# Altium PCB RFPCB_REV-B.PcbDoc
Units mm, origin at the board's own origin, x right, y up, seen from the top; angles counter-clockwise.
Board outline 92.75 x 92.76 mm, 2 copper layers (Top Layer, Bottom Layer), stack 1.536 mm thick; 55 components, 41 nets, 300 pads, 229 vias.
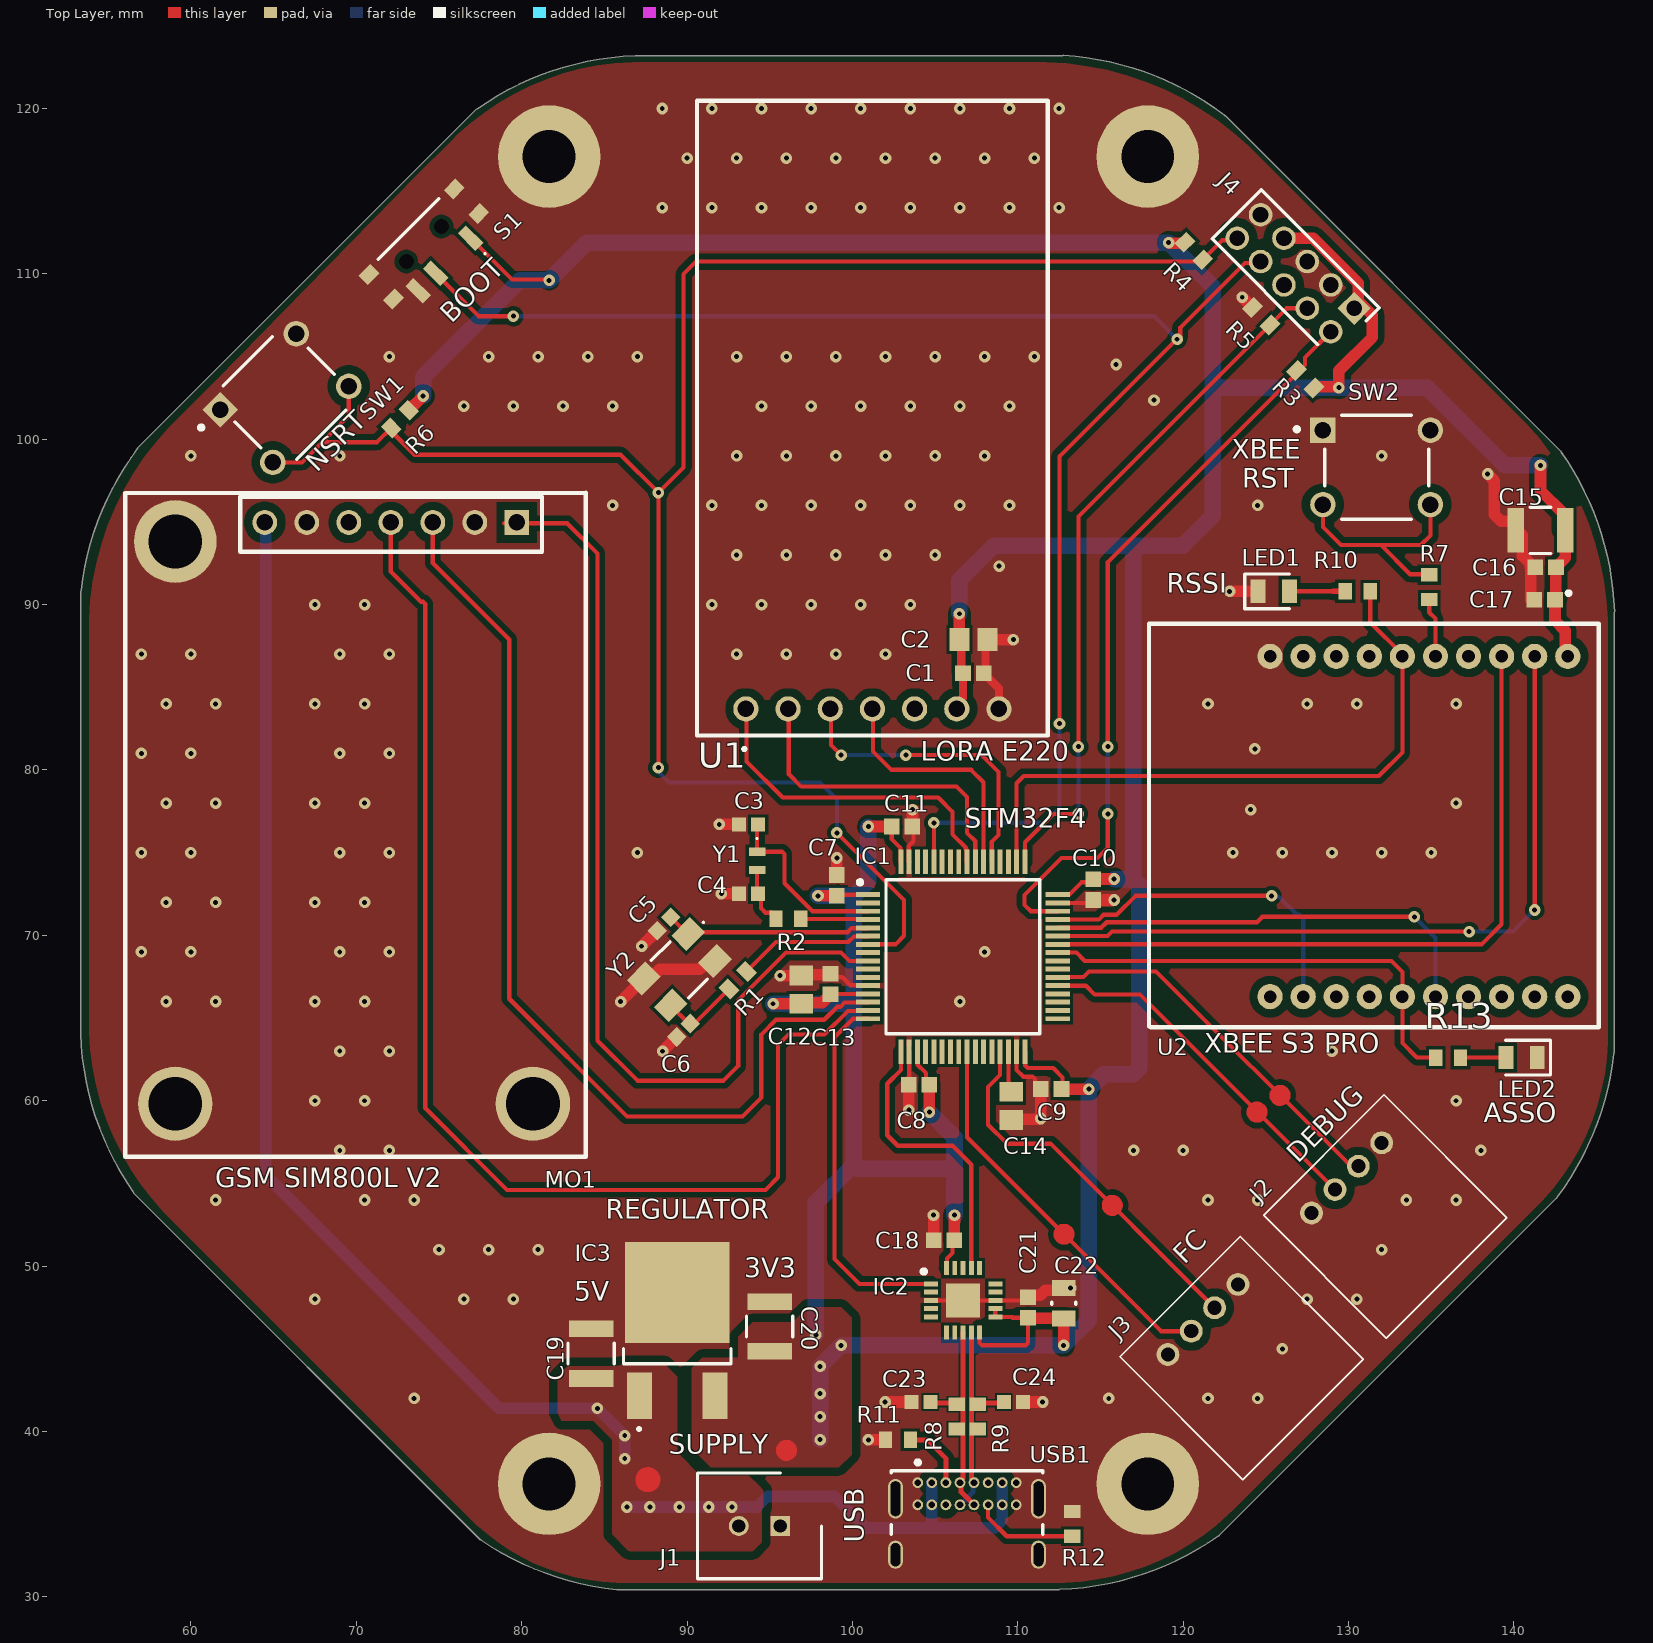
[diagram p0: Top Layer view]
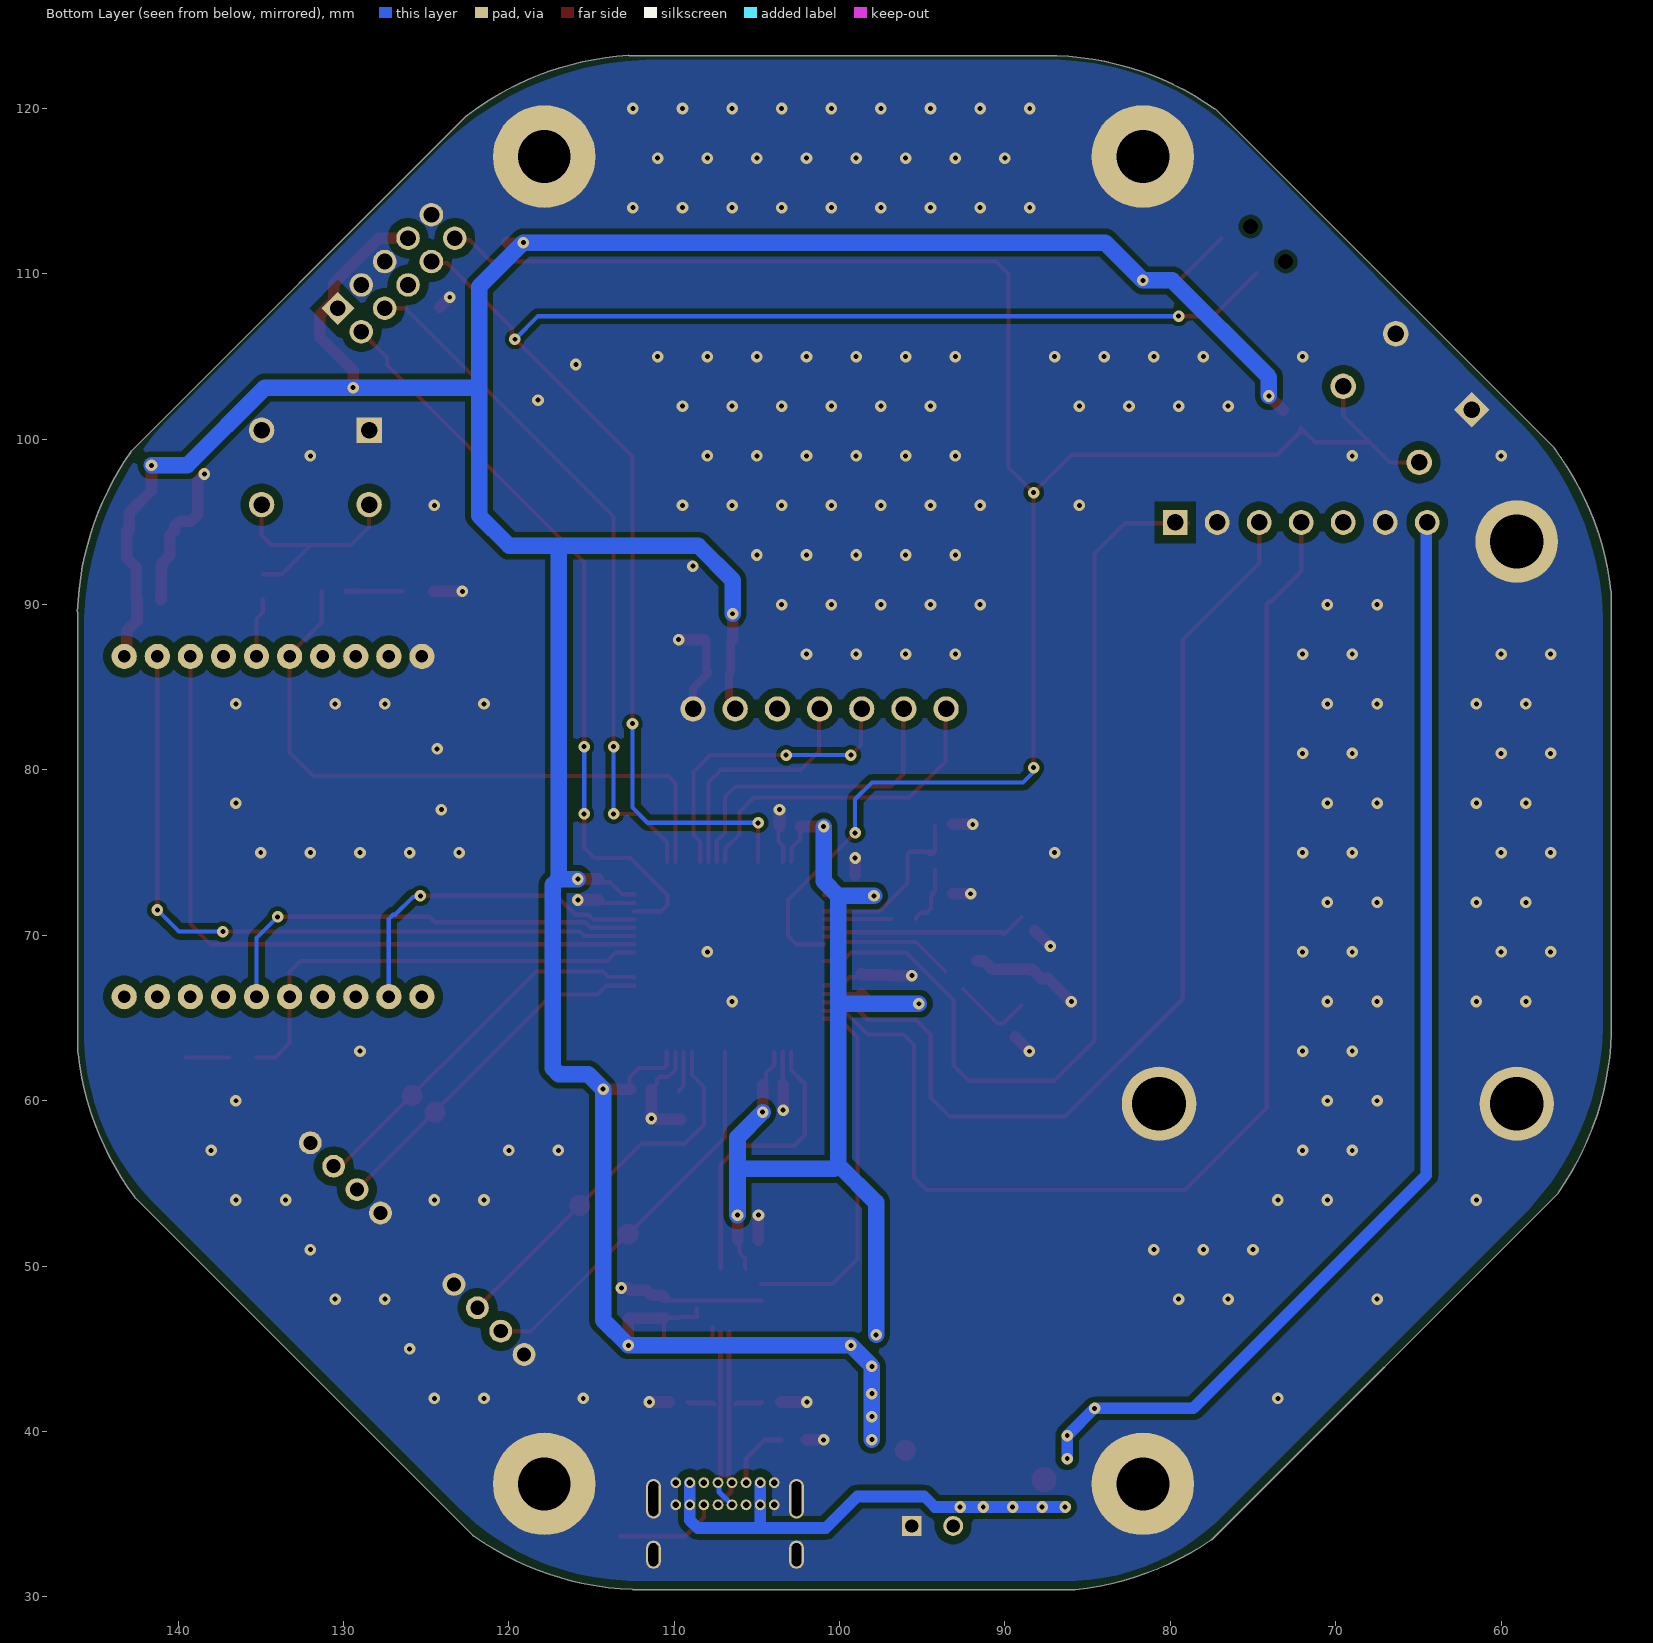
[diagram p1: Bottom Layer view, seen from below]

## Layer stack, top to bottom
Top Solder: solder mask 0.02, Solder Resist, Dk 3.5
Top Layer: signal copper 0.018
Dielectric 1: core 1.5, Core-020, Dk 4.1
Bottom Layer: signal copper 0.018
Bottom Solder: solder mask 0.02, Solder Resist, Dk 3.5

## Board outline
56.558,54.389 77.499,33.448 77.566,33.413 ccw(c87.527,48.11) 85.747,30.445 85.76,30.444 112.51,30.444 112.536,30.447 ccw(c111.882,48.189) 122.097,33.667 122.169,33.703 142.579,54.114 142.613,54.175 ccw(c128.397,64.811) 146.041,62.838 146.065,62.911 146.065,89.504 146.084,89.576 ccw(c128.339,88.997) 142.86,99.212 142.824,99.284 122.539,119.569 122.484,119.602 ccw(c111.72,105.483) 112.764,123.206 112.713,123.199 86.903,123.199 86.876,123.196 ccw(c87.531,105.454) 77.316,119.975 77.244,119.939 56.829,99.524 56.794,99.46 ccw(c70.989,88.796) 53.355,90.856 53.329,90.779 53.329,64.071 53.329,64.067 ccw(c71.074,64.646)

## Design rules (kind name [scope] priority, off if disabled: settings)
Clearance Differential_USB [InAnyDifferentialPair] p1: gap=0.12 ignorepadtopadclearanceinfootprint=FALSE
Clearance [All] p2: gap=0.254 ignorepadtopadclearanceinfootprint=FALSE except(0.127: Arc-THPad Arc-Hole Track-THPad Track-Hole SMDPad-THPad SMDPad-Hole THPad-THPad THPad-Hole; 0.15: Arc-SMDPad Track-SMDPad SMDPad-SMDPad; 0.2: Arc-Arc Arc-Track Track-Track SMDPad-Fill SMDPad-Poly SMDPad-Region; 0.35: Arc-Fill Arc-Poly Arc-Region Track-Fill Track-Poly Track-Region; 0.5: THPad-Fill THPad-Poly THPad-Region Fill-Fill Fill-Poly Fill-Region Poly-Poly Poly-Region Region-Region)
DiffPairsRouting Pair_USB [InDifferentialPair('USB_D')] p1: maxlimit=0.127 minlimit=0.127 mostfreqgap=0.127 toplayer_minwidth=0.35 toplayer_maxwidth=0.35 toplayer_prefwidth=0.35 bottomlayer_minwidth=0.35 bottomlayer_maxwidth=0.35 bottomlayer_prefwidth=0.35 maxuncoupledlength=12.7
HoleSize [All] p1: absolutevalues=TRUE maxlimit=5 minlimit=0.025 maxpercent=80.000 minpercent=20.000
MinimumSolderMaskSliver [All] p1: minsoldermaskwidth=0.03
PlaneClearance [InNet('GND') And OnLayer('Top Layer')] p1: clearance=0.2
PlaneConnect [All] p1: planeconnectstyle=Direct reliefexpansion=0.508 reliefentries=4 reliefconductorwidth=0.254 reliefairgap=0.254
PolygonConnect [All] p1: connectstyle=Direct reliefconductorwidth=0.254 reliefentries=4 polygonreliefangle="90 Angle" airgapwidth=0.254
RoutingVias [All] p1: holewidth=0.3 width=0.7 viastyle="Through Hole" minholewidth=0.2 minwidth=0.6 maxholewidth=0.711 maxwidth=1.27
SilkToSilkClearance [All] p1: silktosilkclearance=0.15
SilkToSolderMaskClearance [IsPad] p1: minsilkscreentomaskgap=0.15 clearancetoexposedcopper=TRUE
SolderMaskExpansion [All] p1: expansion=0.102 istentingtop=FALSE
SupplyNets "Schematic Supply Nets_9" [InNet('GND')] p1: voltage=0.000
SupplyNets "Schematic Supply Nets_8" [InNet('3v3')] p2: voltage=0.000
SupplyNets "Schematic Supply Nets_6" [InNet('5v')] p3: voltage=0.000
SupplyNets "Schematic Supply Nets_7" [InNet('VINEPS')] p4: voltage=0.000
SupplyNets "Schematic Supply Nets_1" [InNet('VSENSE')] p5: voltage=0.000
SupplyNets "Schematic Supply Nets_4" [InNet('VFILT')] p6: voltage=0.000
SupplyNets "Schematic Supply Nets_5" [InNet('VBUS')] p7: voltage=0.000
SupplyNets "Schematic Supply Nets" [InNet('GND')] p8: voltage=0.000
SupplyNets "Schematic Supply Nets_2" [InNet('VPWR')] p9: voltage=0.000
SupplyNets "Schematic Supply Nets_3" [InNet('3V3')] p10: voltage=0.000
Width [All] p1: maxlimit=1 minlimit=0.254 preferedwidth=0.254 minimp=50.000000 maximp=50.000000 favimp=50.000000
23 further rules are at their usual default settings.

## Classes and differential pairs
component class XbeeB: C15 C16 C17 C18 C19 C20 C21 C22 C23 C24 IC2 IC3 LED1 LED2 R7 R8 R9 R10 R11 R12 R13 SW2 U2 USB1
component class mcuB: C3 C4 C5 C6 C7 C8 C9 C10 C11 C12 C13 C14 IC1 J4 R1 R2 R3 R4 R5 R6 S1 SW1 Y1 Y2
component class LoRaB: C1 C2 J1 J2 J3 MO1 U1
differential pair FT_D: +FT_D_P -FT_D_N

## Components (designator, comment, footprint, x,y, rotation, side; value= is the part's Value field where it differs from the comment)
C1 "Capacitor 100 nF +/-10% 50 V 0603" CAPC1608X90X40NL10T20 107.315,85.852 r0 top value=100nF
C2 "Capacitor 1 uF +/- 10% 50 V 0805" CAPC2013X135X45NL10T25 107.315,87.884 r0 top value=1µF
C3 "Capacitor 1 uF +/- 10% 25 V 0603" CAPC1608X90X40LL10T20 93.726,76.708 r180 top value=4pF
C4 "Capacitor 1 uF +/- 10% 25 V 0603" CAPC1608X90X40LL10T20 93.726,72.517 r180 top value=4pF
C5 "Capacitor 1 uF +/- 10% 25 V 0603" CAPC1608X90X40LL10T20 88.6,70.693 r225 top value=22pF
C6 "Capacitor 1 uF +/- 10% 25 V 0603" CAPC1608X90X40LL10T20 89.789,64.262 r225 top value=22pF
C7 "Capacitor 100 nF +/-10% 50 V 0603" CAPC1608X90X40NL10T20 99.06,73.025 r90 top value=100nF
C8 "Capacitor 100 nF +/-10% 50 V 0603" CAPC1608X90X40NL10T20 104.023,60.96 r180 top value=100nF
C9 "Capacitor 100 nF +/-10% 50 V 0603" CAPC1608X90X40NL10T20 112.014,60.706 r180 top value=100nF
C10 "Capacitor 100 nF +/-10% 50 V 0603" CAPC1608X90X40NL10T20 114.554,72.761 r270 top value=100nF
C11 "Capacitor 100 nF +/-10% 50 V 0603" CAPC1608X90X40NL10T20 102.997,76.581 r0 top value=100nF
C12 "Capacitor 1 uF +/- 10% 50 V 0805" CAPC2013X135X45NL10T25 96.901,66.714 r90 top value=1µF
C13 "Capacitor 100 nF +/-10% 50 V 0603" CAPC1608X90X40NL10T20 98.679,67.056 r90 top value=100nF
C14 "Capacitor 1 uF +/- 10% 50 V 0805" CAPC2013X135X45NL10T25 109.601,59.69 r270 top value=2.2µF
C15 "10uF" FP-CC1210-GA-MFG 141.605,94.488 r180 top value=1uF
C16 "Capacitor 100 nF +/-10% 50 V 0603" CAPC1608X90X40NL10T20 141.914,92.257 r180 top value=1uF
C17 "Capacitor 100 nF +/-10% 50 V 0603" CAPC1608X90X40NL10T20 141.859,90.297 r180 top value=47pnF
C18 "Capacitor 100 nF +/-10% 50 V 0603" CAPC1608X90X40NL10T20 105.537,51.562 r180 top value=100nF
C19 "0.33uF" FP-CC1210-GA-MFG 84.201,44.704 r90 top value=1uF
C20 "10uF" FP-CC1210-GA-MFG 94.996,46.355 r90 top value=1uF
C21 "Capacitor 100 nF +/-10% 50 V 0603" CAPC1608X90X40NL10T20 110.617,47.498 r90 top value=100nF
C22 "4.7uf" FP-CC0805-0_85-MFG 112.776,47.752 r90 top value="100 nF"
C23 "Capacitor 1 uF +/- 10% 25 V 0603" CAPC1608X90X40LL10T20 104.14,41.783 r180 top value=47pF
C24 "Capacitor 1 uF +/- 10% 25 V 0603" CAPC1608X90X40LL10T20 109.728,41.783 r0 top value=47pF
IC1 "STM32F446RET6TR" QFP50P1200X1200X160-64N 106.68,68.707 r0 top
IC2 "FT231XQ-R" QFN50P400X400X80-21N 106.688,47.924 r0 top
IC3 "LD29150DT33R" ST_DPAK_1 89.408,50.194 r0 top
J1 "B02B-XASK-1_LF__SN_" SHDR2W60P0X250_1X2_750X640X880P 95.631,34.29 r180 top
J2 "353630460" 353630460 127.762,53.213 r225 top
J3 "353630460" 353630460 119.074,44.652 r225 top
J4 "87758-1016" HDRV10W75P200_2X5_990X400X595P 130.336,107.916 r135 top
LED1 "KP-2012CGCK" LEDC2012X110N 125.476,90.805 r0 top
LED2 "KP-2012CGCK" LEDC2012X110N 140.462,62.611 r180 top
MO1 "SIM800L V2 Module" SIM800LV2.0 70.105,77.642 r270 top
R1 "Resistor 10k +/-1% 0603 100 mW" RESC1608X55X25ML10T15 93.069,67.288 r225 top value=500
R2 "Resistor 10k +/-1% 0603 100 mW" RESC1608X55X25ML10T15 96.127,70.993 r180 top value=100
R3 "Resistor 10k +/-1% 0603 100 mW" RESC1608X55X25ML10T15 127.381,103.632 r135 top value=10k
R4 "Resistor 10k +/-1% 0603 100 mW" RESC1608X55X25ML10T15 120.65,111.379 r315 top value=10k
R5 "Resistor 10k +/-1% 0603 100 mW" RESC1608X55X25ML10T15 124.714,107.442 r135 top value=10k
R6 "Resistor 10k +/-1% 0603 100 mW" RESC1608X55X25ML10T15 72.644,101.219 r225 top value=1k
R7 "Resistor 10k +/-1% 0603 100 mW" RESC1608X55X25ML10T15 134.874,91.059 r270 top value=100
R8 "Resistor 10k +/-1% 0603 100 mW" RESC1608X55X25ML10T15 106.299,40.894 r90 top value=27
R9 "Resistor 10k +/-1% 0603 100 mW" RESC1608X55X25ML10T15 107.569,40.894 r90 top value=27
R10 "Resistor 10k +/-1% 0603 100 mW" RESC1608X55X25ML10T15 130.556,90.805 r0 top value=500
R11 "Resistor 10k +/-1% 0603 100 mW" RESC1608X55X25ML10T15 102.755,39.497 r0 top value=5k1
R12 "Resistor 10k +/-1% 0603 100 mW" RESC1608X55X25ML10T15 113.284,34.417 r270 top value=5k1
R13 "Resistor 10k +/-1% 0603 100 mW" RESC1608X55X25ML10T15 136.017,62.611 r180 top value=1000
S1 "CUS-12TB" CUS12TB 75.146,112.865 r225 top
SW1 "2-1825910-7" FP-2-1825910-7-MFG 65.659,102.489 r135 top
SW2 "2-1825910-7" FP-2-1825910-7-MFG 131.699,98.298 r90 top
U1 "Lora 868" "Lora 833" 93.559,83.693 r0 top
U2 "Xbee" XBEE 125.255,66.294 r90 top
USB1 "USB4085-GF-A" USB4085-GF-A 106.929,32.885 r0 top
Y1 "ABS05W-32.768KHZ-D-2-T" ABS05W32768KHZD2T 94.234,74.507 r270 top
Y2 "ABM3BAIG-16.000MHZ-12-3-T" ABM3BAIG 89.537,67.923 r225 top

## Footprints (in the part's own frame and the unit in brackets; to place one, negate y for a bottom-side part, rotate by r counter-clockwise, add the part's x,y. Pads: shape width x height; smd on the part's side, far side on the other; paste and mask are expansions set on the pad)
353630460 [mm]
  round 1.381 hole 0.85: 1(0,0) 2(-2,0) 3(-4,0) 4(-6,0)
  silkscreen extent -8.15,-1.95 2.15,8.55, body extent -8.15,-1.88 2.15,8.62, height 5.41
ABM3BAIG [mm]
  rect 1.6x1.3 smd: 1(-1.9,-1.15) 2(1.9,-1.15) 3(1.9,1.15) 4(-1.9,1.15)
  silkscreen extent -3.1,-1.6 0.8,1.6, body extent -2.5,-1.73 2.5,1.47, height 0.9
ABS05W32768KHZD2T [mm]
  rect 0.5x1 smd: 1(-0.55,0) 2(0.55,0)
  silkscreen extent -1.4,-0.05 -1.3,0.05, body extent -0.8,-0.5 0.8,0.5, height 0.48
CAPC1608X90X40LL10T20 [mm] "Chip Capacitor, 2-Leads, Body 1.70x0.90mm, IPC High Density"
  rect 0.85x0.85 smd: 1(-0.575,0) 2(0.575,0)
  body extent -0.85,-0.45 0.85,0.45, height 0.9
CAPC1608X90X40NL10T20 [mm] "Chip Capacitor, 2-Leads, Body 1.70x0.90mm, IPC Medium Density"
  rect 0.95x0.95 smd: 1(-0.625,0) 2(0.625,0)
  body extent -0.85,-0.45 0.85,0.45, height 0.9
CAPC2013X135X45NL10T25 [mm] "Chip Capacitor, 2-Leads, Body 2.10x1.35mm, IPC Medium Density"
  rect 1.2x1.4 smd: 1(-0.85,0) 2(0.85,0)
  body extent -1.05,-0.67 1.05,0.67, height 1.35
CUS12TB [mm]
  rect 0.7x1.5 smd: 1(-0.75,1.75) 2(2.25,1.75) 3(3.75,1.75)
  round 0.45 hole 0.9 unplated: MH1(0,0) MH2(3,0)
  rect 1x0.8 smd: MP1(-2.15,1.05) MP2(5.15,1.05) MP3(-2.15,-1.05) MP4(5.15,-1.05)
  silkscreen extent -1.1,-1.3 4.1,3.08, body extent -2.22,-2.75 5.46,2.24, height 1.47
FP-2-1825910-7-MFG [mm]
  rect 1.54x1.54 hole 0.99 paste-2539.97 mask+0: 1(2.25,3.25)
  round 1.54 hole 0.99 paste-2539.97 mask+0: 2(2.25,-3.25) 3(-2.25,3.25) 4(-2.25,-3.25)
  silkscreen extent -3.15,-3.15 3.15,4.95, body extent -3.24,-4.12 3.24,4.12, height 0.25
FP-CC0805-0_85-MFG [mm]
  rect 0.95x1.4 smd paste+0 mask+0: 1(-0.925,0) 2(0.925,0)
  silkscreen extent -0.08,-0.72 0.08,0.72, body extent -1.6,-1.05 1.6,1.05, height 0.25
FP-CC1210-GA-MFG [mm]
  rect 1x2.7 smd paste+0 mask+0: 1(-1.5,0) 2(1.5,0)
  silkscreen extent -0.63,-1.4 0.63,1.4, body extent -2.2,-1.7 2.2,1.7, height 0.25
HDRV10W75P200_2X5_990X400X595P [mm]
  rect 1.425x1.425 hole 0.95: 1(0,0)
  round 1.425 hole 0.95: 2(0,2) 3(2,0) 4(2,2) 5(4,0) 6(4,2) 7(6,0) 8(6,2) 9(8,0) 10(8,2)
  silkscreen extent -1.05,-1.1 9.05,3.1, body extent -0.95,-1 8.95,3, height 5.5
LEDC2012X110N [mm]
  rect 0.9x1.4 smd: 1(-0.95,0) 2(0.95,0)
  silkscreen extent -1.75,-1.05 0.95,1.05, body extent -1,-0.63 1,0.63, height 0.81
"Lora 833" [mil]
  round 60 hole 39.37: 1(0,0) 2(100.39,0) 3(200.79,0) 4(301.18,0) 5(401.57,0) 6(501.97,0) 7(602.36,0)
  silkscreen extent -116,-98 719,1448, body extent -113,-68 714,1732, height 353
QFN50P400X400X80-21N [mm]
  rect 0.85x0.3 smd: 1(-1.95,1) 2(-1.95,0.5) 3(-1.95,0) 4(-1.95,-0.5) 5(-1.95,-1) 11(1.95,-1) 12(1.95,-0.5) 13(1.95,0) 14(1.95,0.5) 15(1.95,1)
  rect 0.3x0.85 smd: 6(-1,-1.95) 7(-0.5,-1.95) 8(0,-1.95) 9(0.5,-1.95) 10(1,-1.95) 16(1,1.95) 17(0.5,1.95) 18(0,1.95) 19(-0.5,1.95) 20(-1,1.95)
  rect 2.05x2.05 smd: 21(0,0)
  silkscreen extent -2.5,1.63 -2.25,1.87, body extent -2.05,-2.05 2.05,2.05, height 0.8
QFP50P1200X1200X160-64N [mm]
  rect 1.475x0.3 smd: 1(-5.738,3.75) 2(-5.738,3.25) 3(-5.738,2.75) 4(-5.738,2.25) 5(-5.738,1.75) 6(-5.738,1.25) 7(-5.738,0.75) 8(-5.738,0.25) 9(-5.738,-0.25) 10(-5.738,-0.75) 11(-5.738,-1.25) 12(-5.738,-1.75) 13(-5.738,-2.25) 14(-5.738,-2.75) 15(-5.738,-3.25) 16(-5.738,-3.75) 33(5.738,-3.75) 34(5.738,-3.25) 35(5.738,-2.75) 36(5.738,-2.25) 37(5.738,-1.75) 38(5.738,-1.25) 39(5.738,-0.75) 40(5.738,-0.25) 41(5.738,0.25) 42(5.738,0.75) 43(5.738,1.25) 44(5.738,1.75) 45(5.738,2.25) 46(5.738,2.75) 47(5.738,3.25) 48(5.738,3.75)
  rect 0.3x1.475 smd: 17(-3.75,-5.738) 18(-3.25,-5.738) 19(-2.75,-5.738) 20(-2.25,-5.738) 21(-1.75,-5.738) 22(-1.25,-5.738) 23(-0.75,-5.738) 24(-0.25,-5.738) 25(0.25,-5.738) 26(0.75,-5.738) 27(1.25,-5.738) 28(1.75,-5.738) 29(2.25,-5.738) 30(2.75,-5.738) 31(3.25,-5.738) 32(3.75,-5.738) 49(3.75,5.738) 50(3.25,5.738) 51(2.75,5.738) 52(2.25,5.738) 53(1.75,5.738) 54(1.25,5.738) 55(0.75,5.738) 56(0.25,5.738) 57(-0.25,5.738) 58(-0.75,5.738) 59(-1.25,5.738) 60(-1.75,5.738) 61(-2.25,5.738) 62(-2.75,5.738) 63(-3.25,5.738) 64(-3.75,5.738)
  silkscreen extent -6.35,-4.65 4.65,4.65, body extent -6,-6 6,6, height 1.6
RESC1608X55X25ML10T15 [mm] "Chip Resistor, 2-Leads, Body 1.70x0.90mm, IPC Low Density"
  rect 0.8x1 smd: 1(-0.75,0) 2(0.75,0)
  body extent -0.85,-0.45 0.85,0.45, height 0.55
SHDR2W60P0X250_1X2_750X640X880P [mm]
  rect 1.2x1.2 hole 0.8: 1(0,0)
  round 1.2 hole 0.8: 2(2.5,0)
  silkscreen extent -2.5,-3.2 5,3.2, body extent -2.5,-3.2 5,3.2, height 8.8
SIM800LV2.0 [mm]
  rect 1.5x1.5 hole 1: 1(-17.325,9.6)
  round 1.5 hole 1: 2(-17.325,7.06) 3(-17.325,4.52) 4(-17.325,1.98) 5(-17.325,-0.56) 6(-17.325,-3.1) 7(-17.325,-5.64)
  round 5 hole 3.25 unplated mask+0.2: MH1(-16.175,-11.05)
  round 4.5 hole 3.25 unplated mask+0.2: MH2(17.825,-11.05) MH3(17.825,10.575)
  silkscreen extent -19.13,-14.08 21.02,13.77, body extent -18.97,-13.93 20.88,13.63, height 8.31
ST_DPAK_1 [mm]
  rect 1.5x2.8 smd: 1(-2.286,-8.03) 2(2.286,-8.03)
  rect 6.3x6.1 smd: 3(0,-1.78)
  silkscreen extent -3.25,-10.12 3.25,-5.18, body extent -3.25,-9.15 3.25,0.26, height 2.33
USB4085-GF-A [mm]
  rrect100% 0.9x2.4 hole 2.1 slot 0.6 at 0 deg paste-2539.97 mask+0: 1(-4.325,3.045) 2(4.325,3.045)
  rrect100% 0.9x1.7 hole 1.4 slot 0.6 at 0 deg paste-2539.97 mask+0: 3(-4.325,-0.335) 4(4.325,-0.335)
  round 0.65 hole 0.4 paste-2539.97 mask+0: A1(-2.975,4.025) A4(-2.125,4.025) A5(-1.275,4.025) A6(-0.425,4.025) A7(0.425,4.025) A8(1.275,4.025) A9(2.125,4.025) A12(2.975,4.025) B1(2.975,2.675) B4(2.125,2.675) B5(1.275,2.675) B6(0.425,2.675) B7(-0.425,2.675) B8(-1.275,2.675) B9(-2.125,2.675) B12(-2.975,2.675)
  silkscreen extent -4.57,0.89 4.57,5.37, body extent -4.87,-4.83 4.87,4.83, height 0.25
XBEE [mil]
  round 60 hole 30: 1(810.04,-708.66) 2(810.04,-629.92) 3(810.04,-551.18) 4(810.04,-472.44) 5(810.04,-393.7) 6(810.04,-314.96) 7(810.04,-236.22) 8(810.04,-157.48) 9(810.04,-78.74) 10(810.04,0) 11(0,0) 12(0,-78.74) 13(0,-157.48) 14(0,-236.22) 15(0,-314.96) 16(0,-393.7) 17(0,-472.44) 18(0,-551.18) 19(0,-629.92) 20(0,-708.66)
  silkscreen extent -73,-782 965,288, body extent -69,-1338 884,284, height 323
